# Altium PCB HYDRA_V4_LINK_V2.PcbDoc (part 1 of 3)
Units mm, origin at the board's own origin, x right, y up, seen from the top; angles counter-clockwise.
Board outline 50 x 44 mm, 4 copper layers (TOP SIG, PWR + INT SIG, GND, BOTTOM SIG), stack 1.586 mm thick; 197 components, 145 nets, 764 pads, 280 vias.
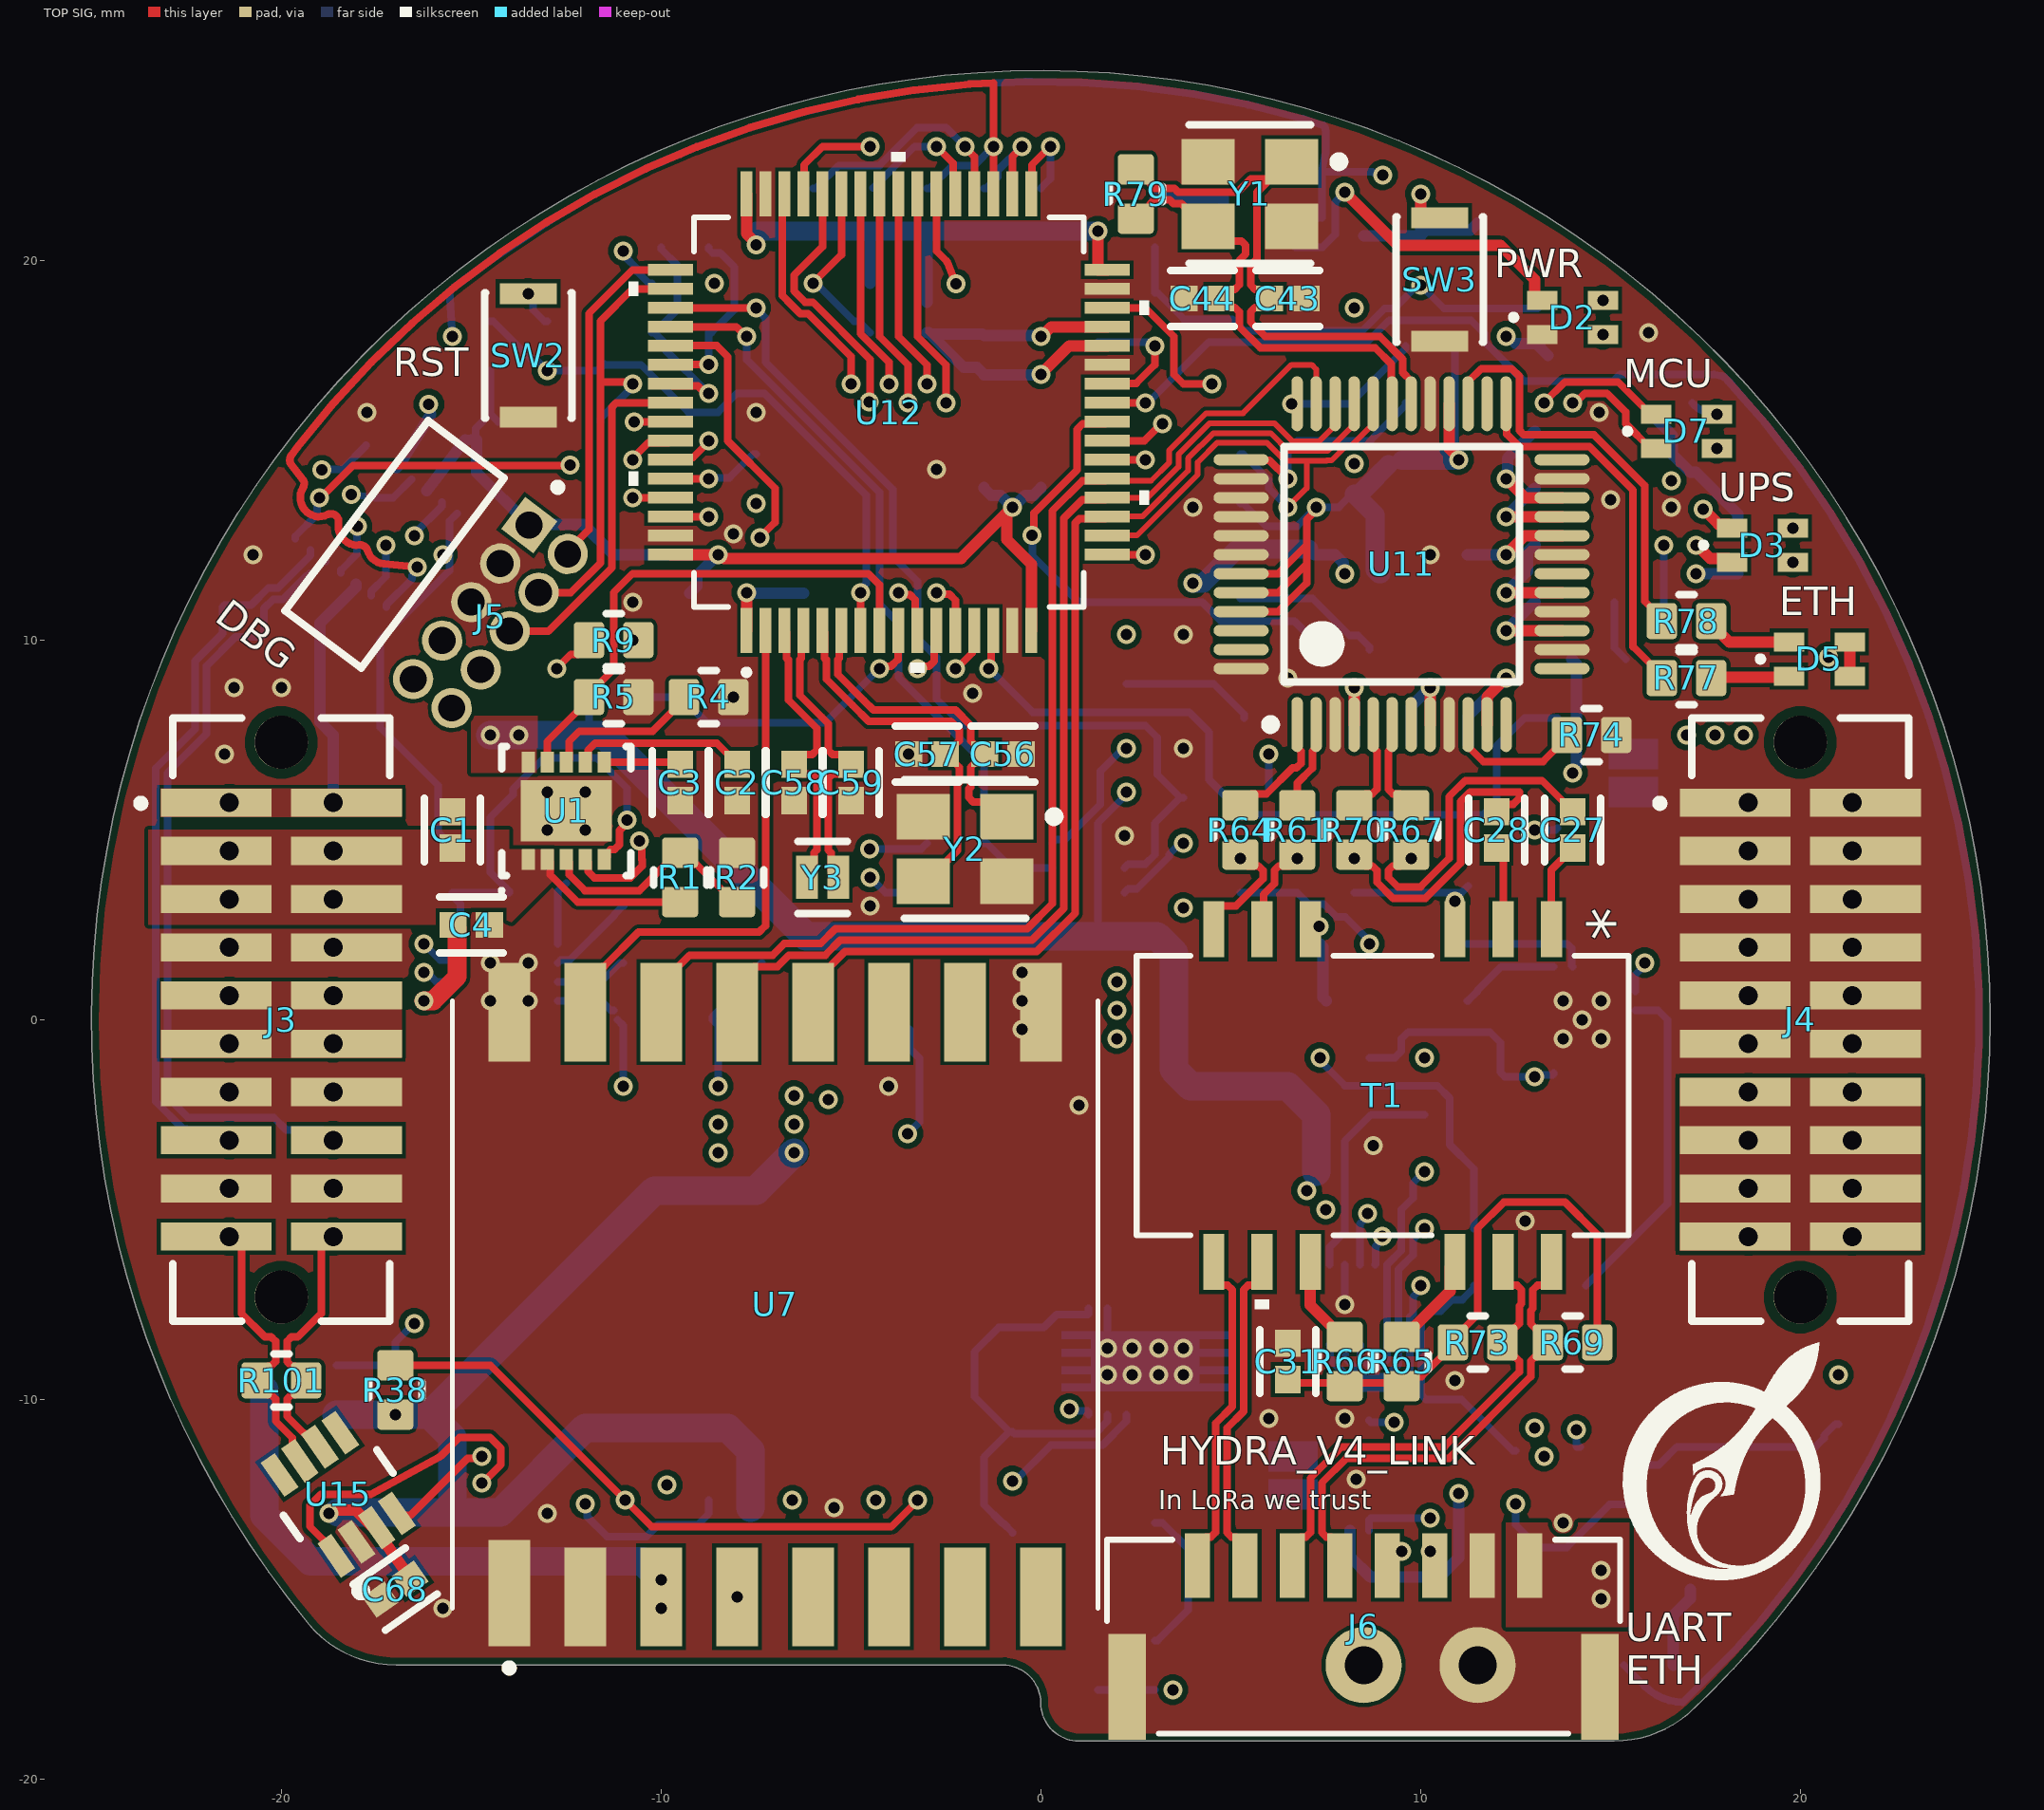
[diagram p0: TOP SIG view]
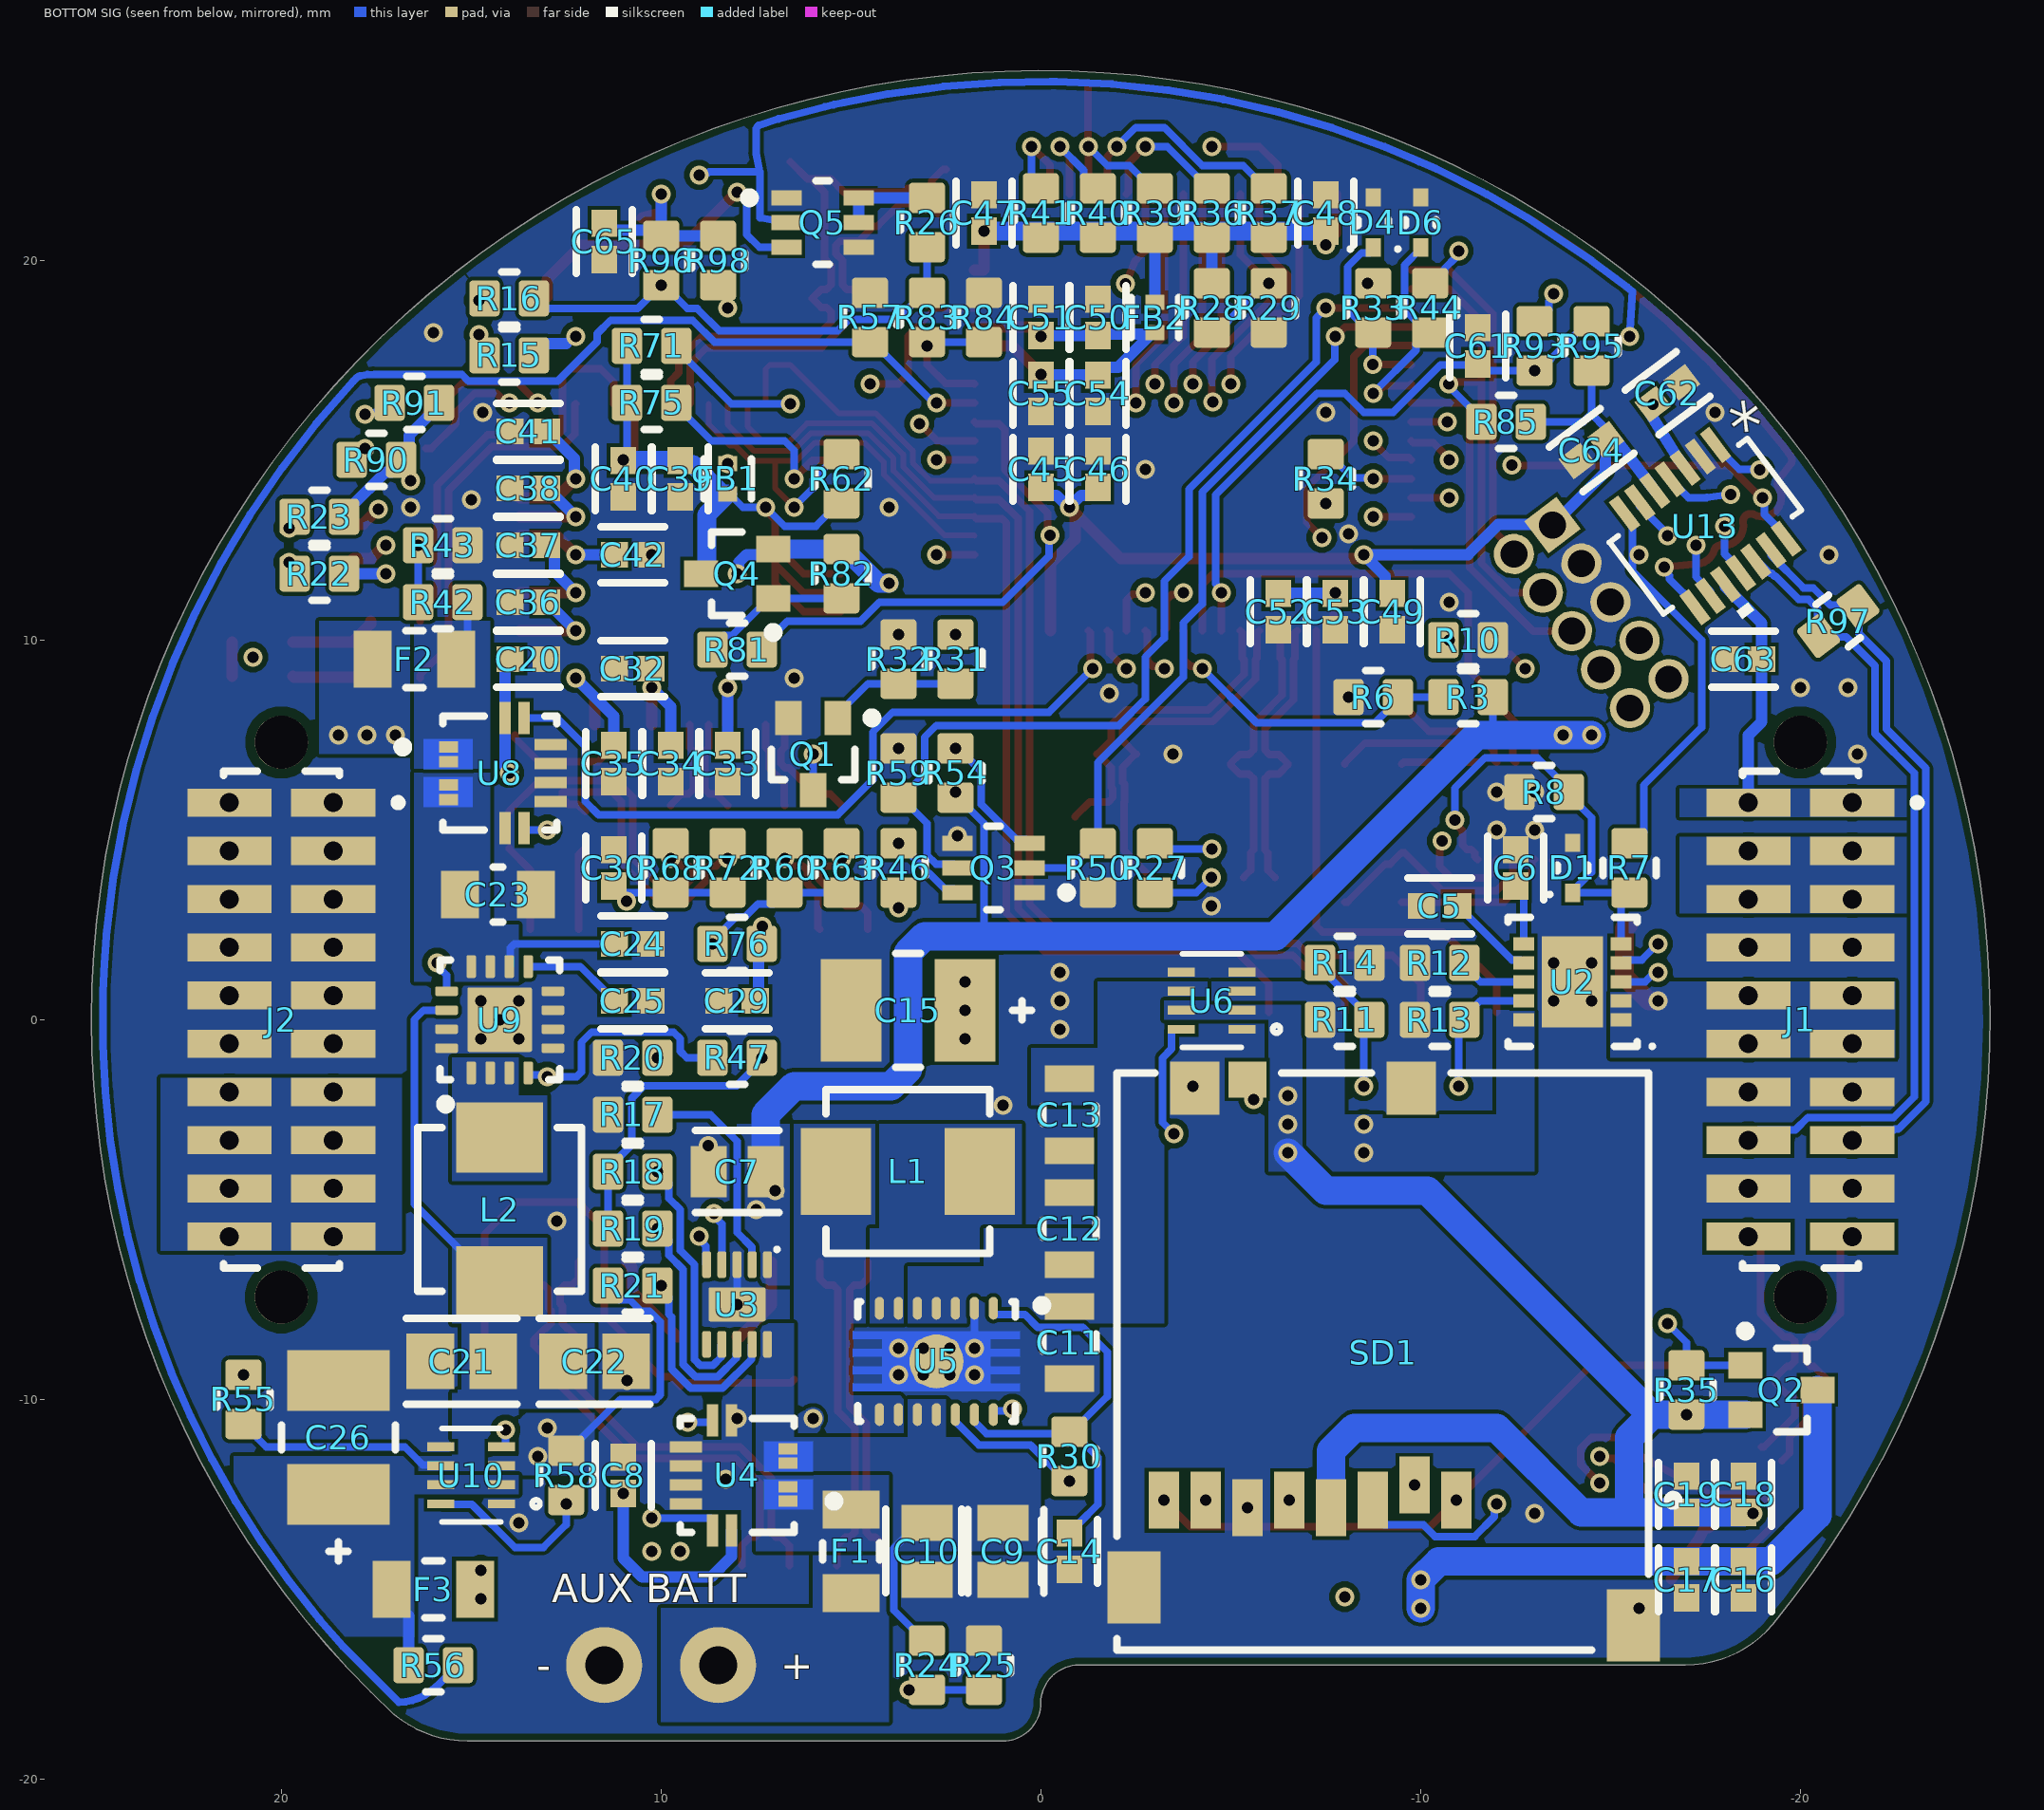
[diagram p1: BOTTOM SIG view, seen from below]
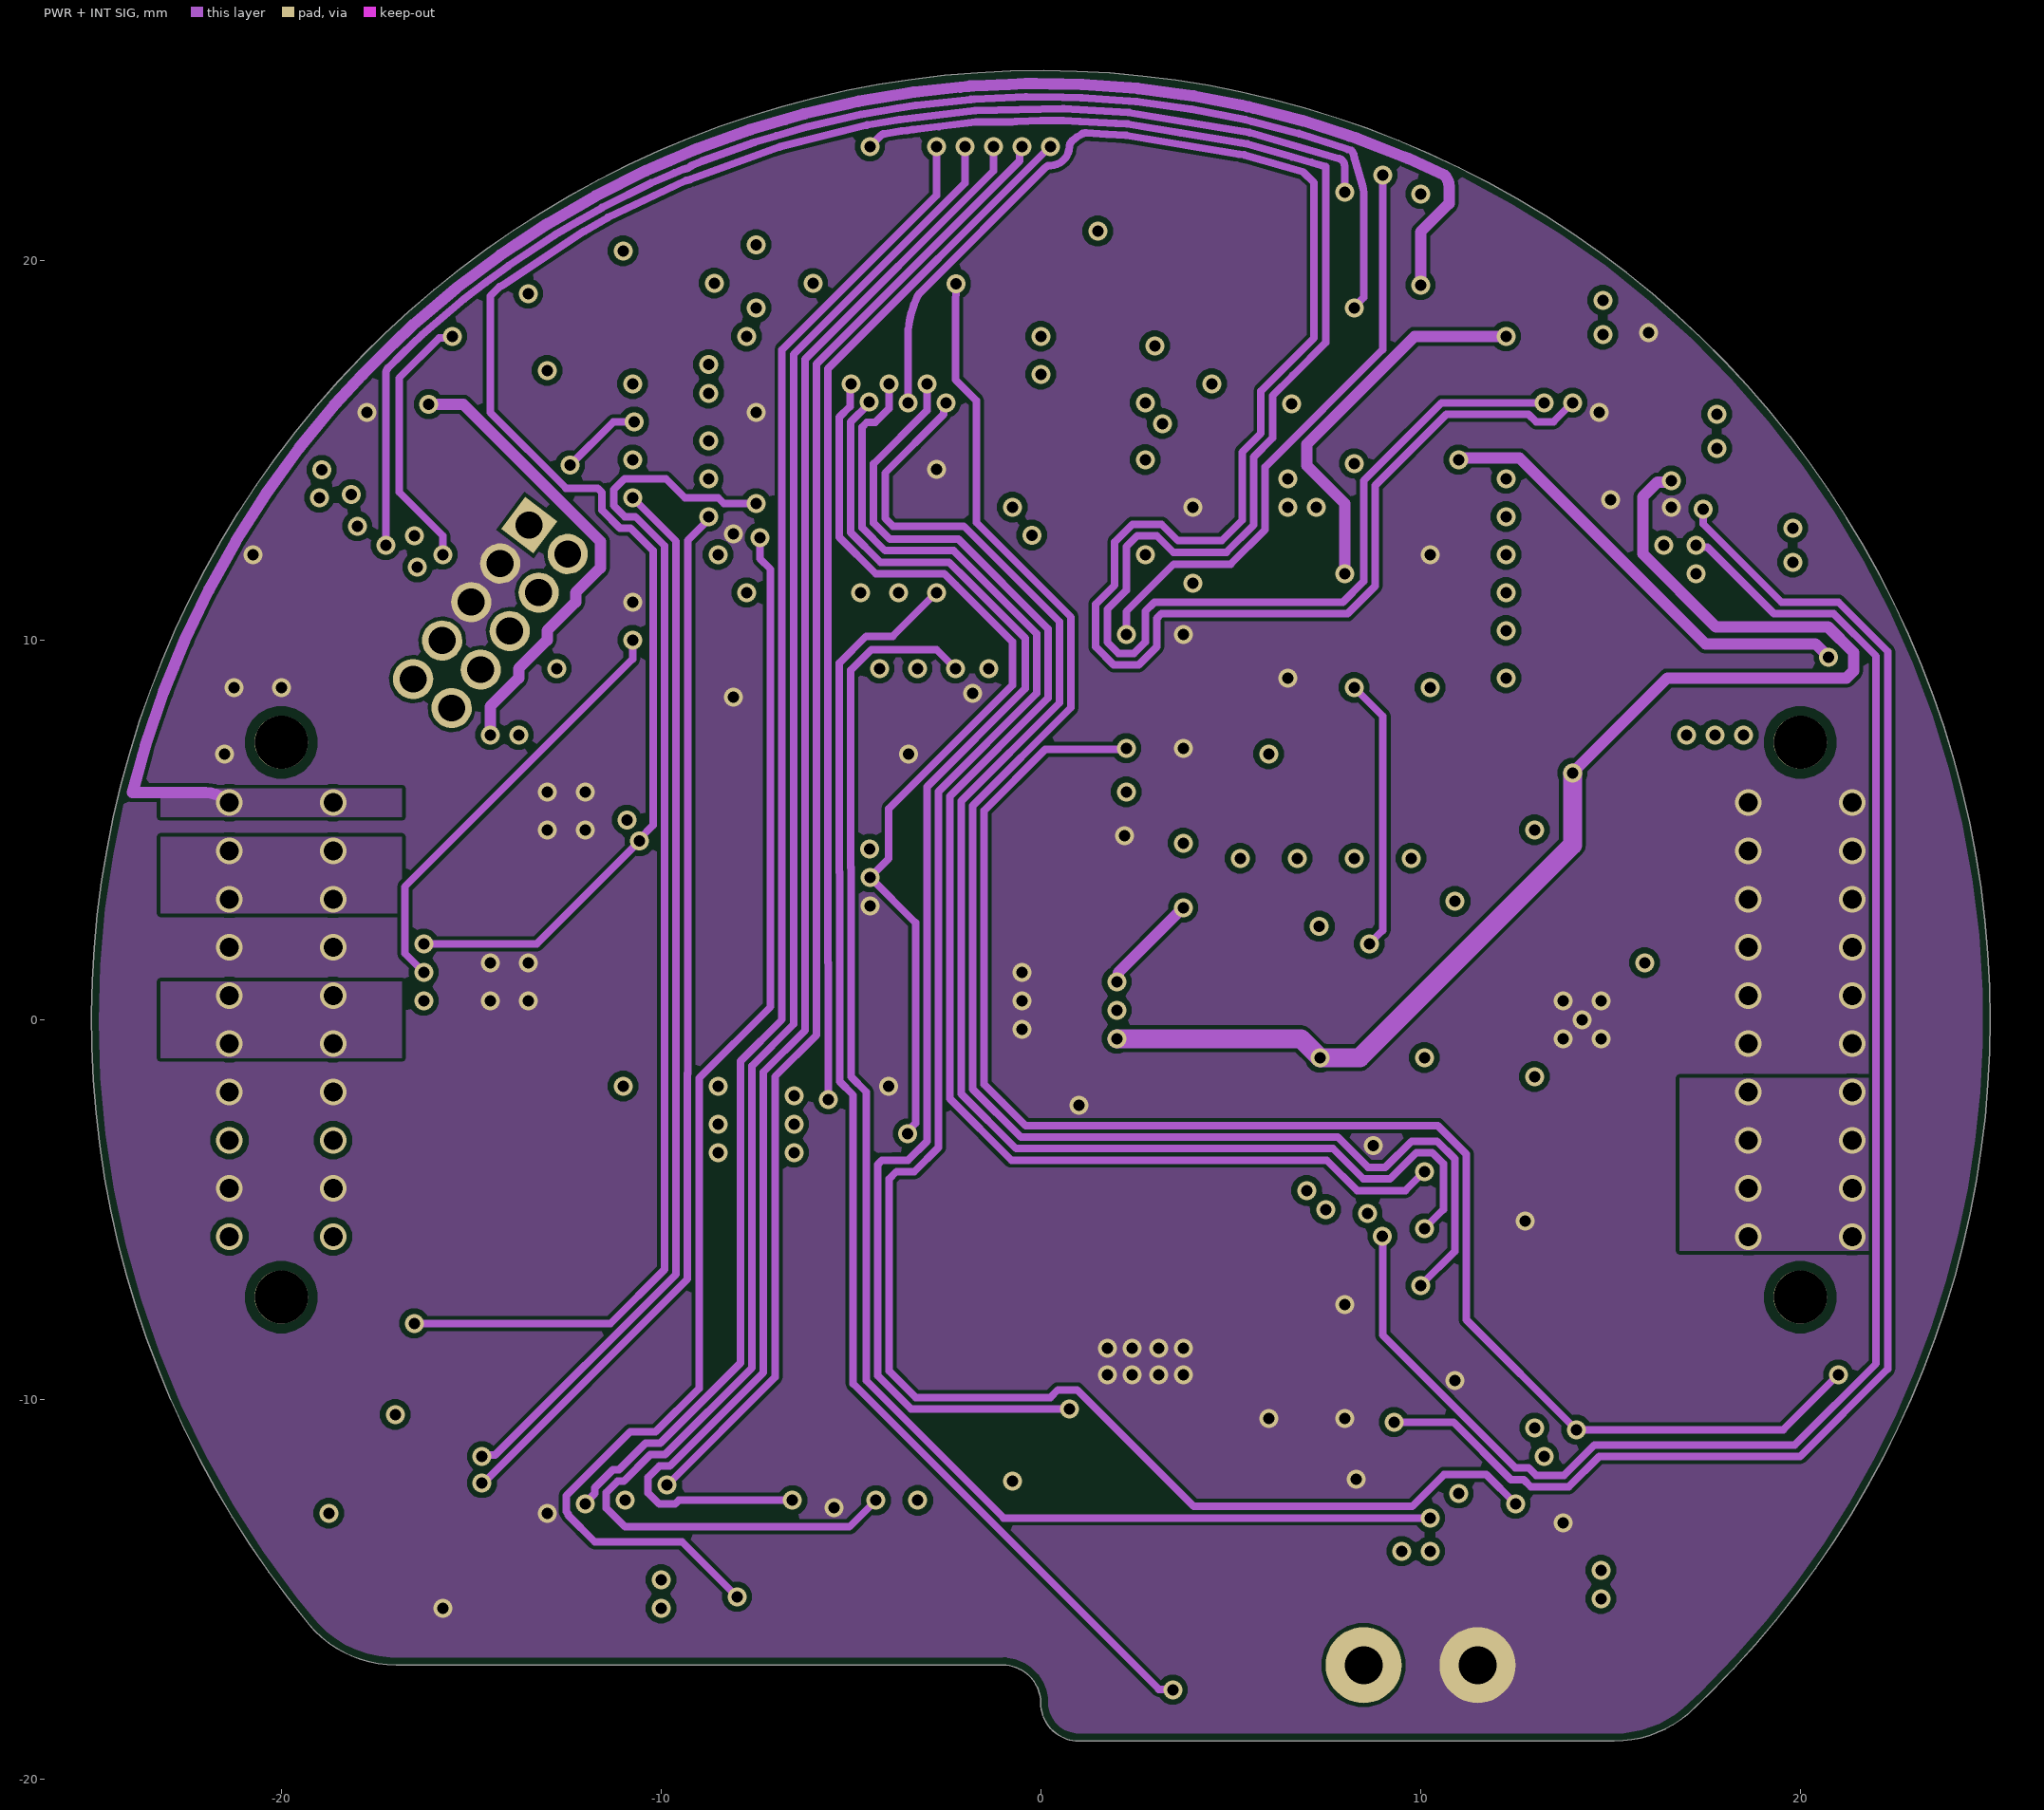
[diagram p2: PWR + INT SIG]
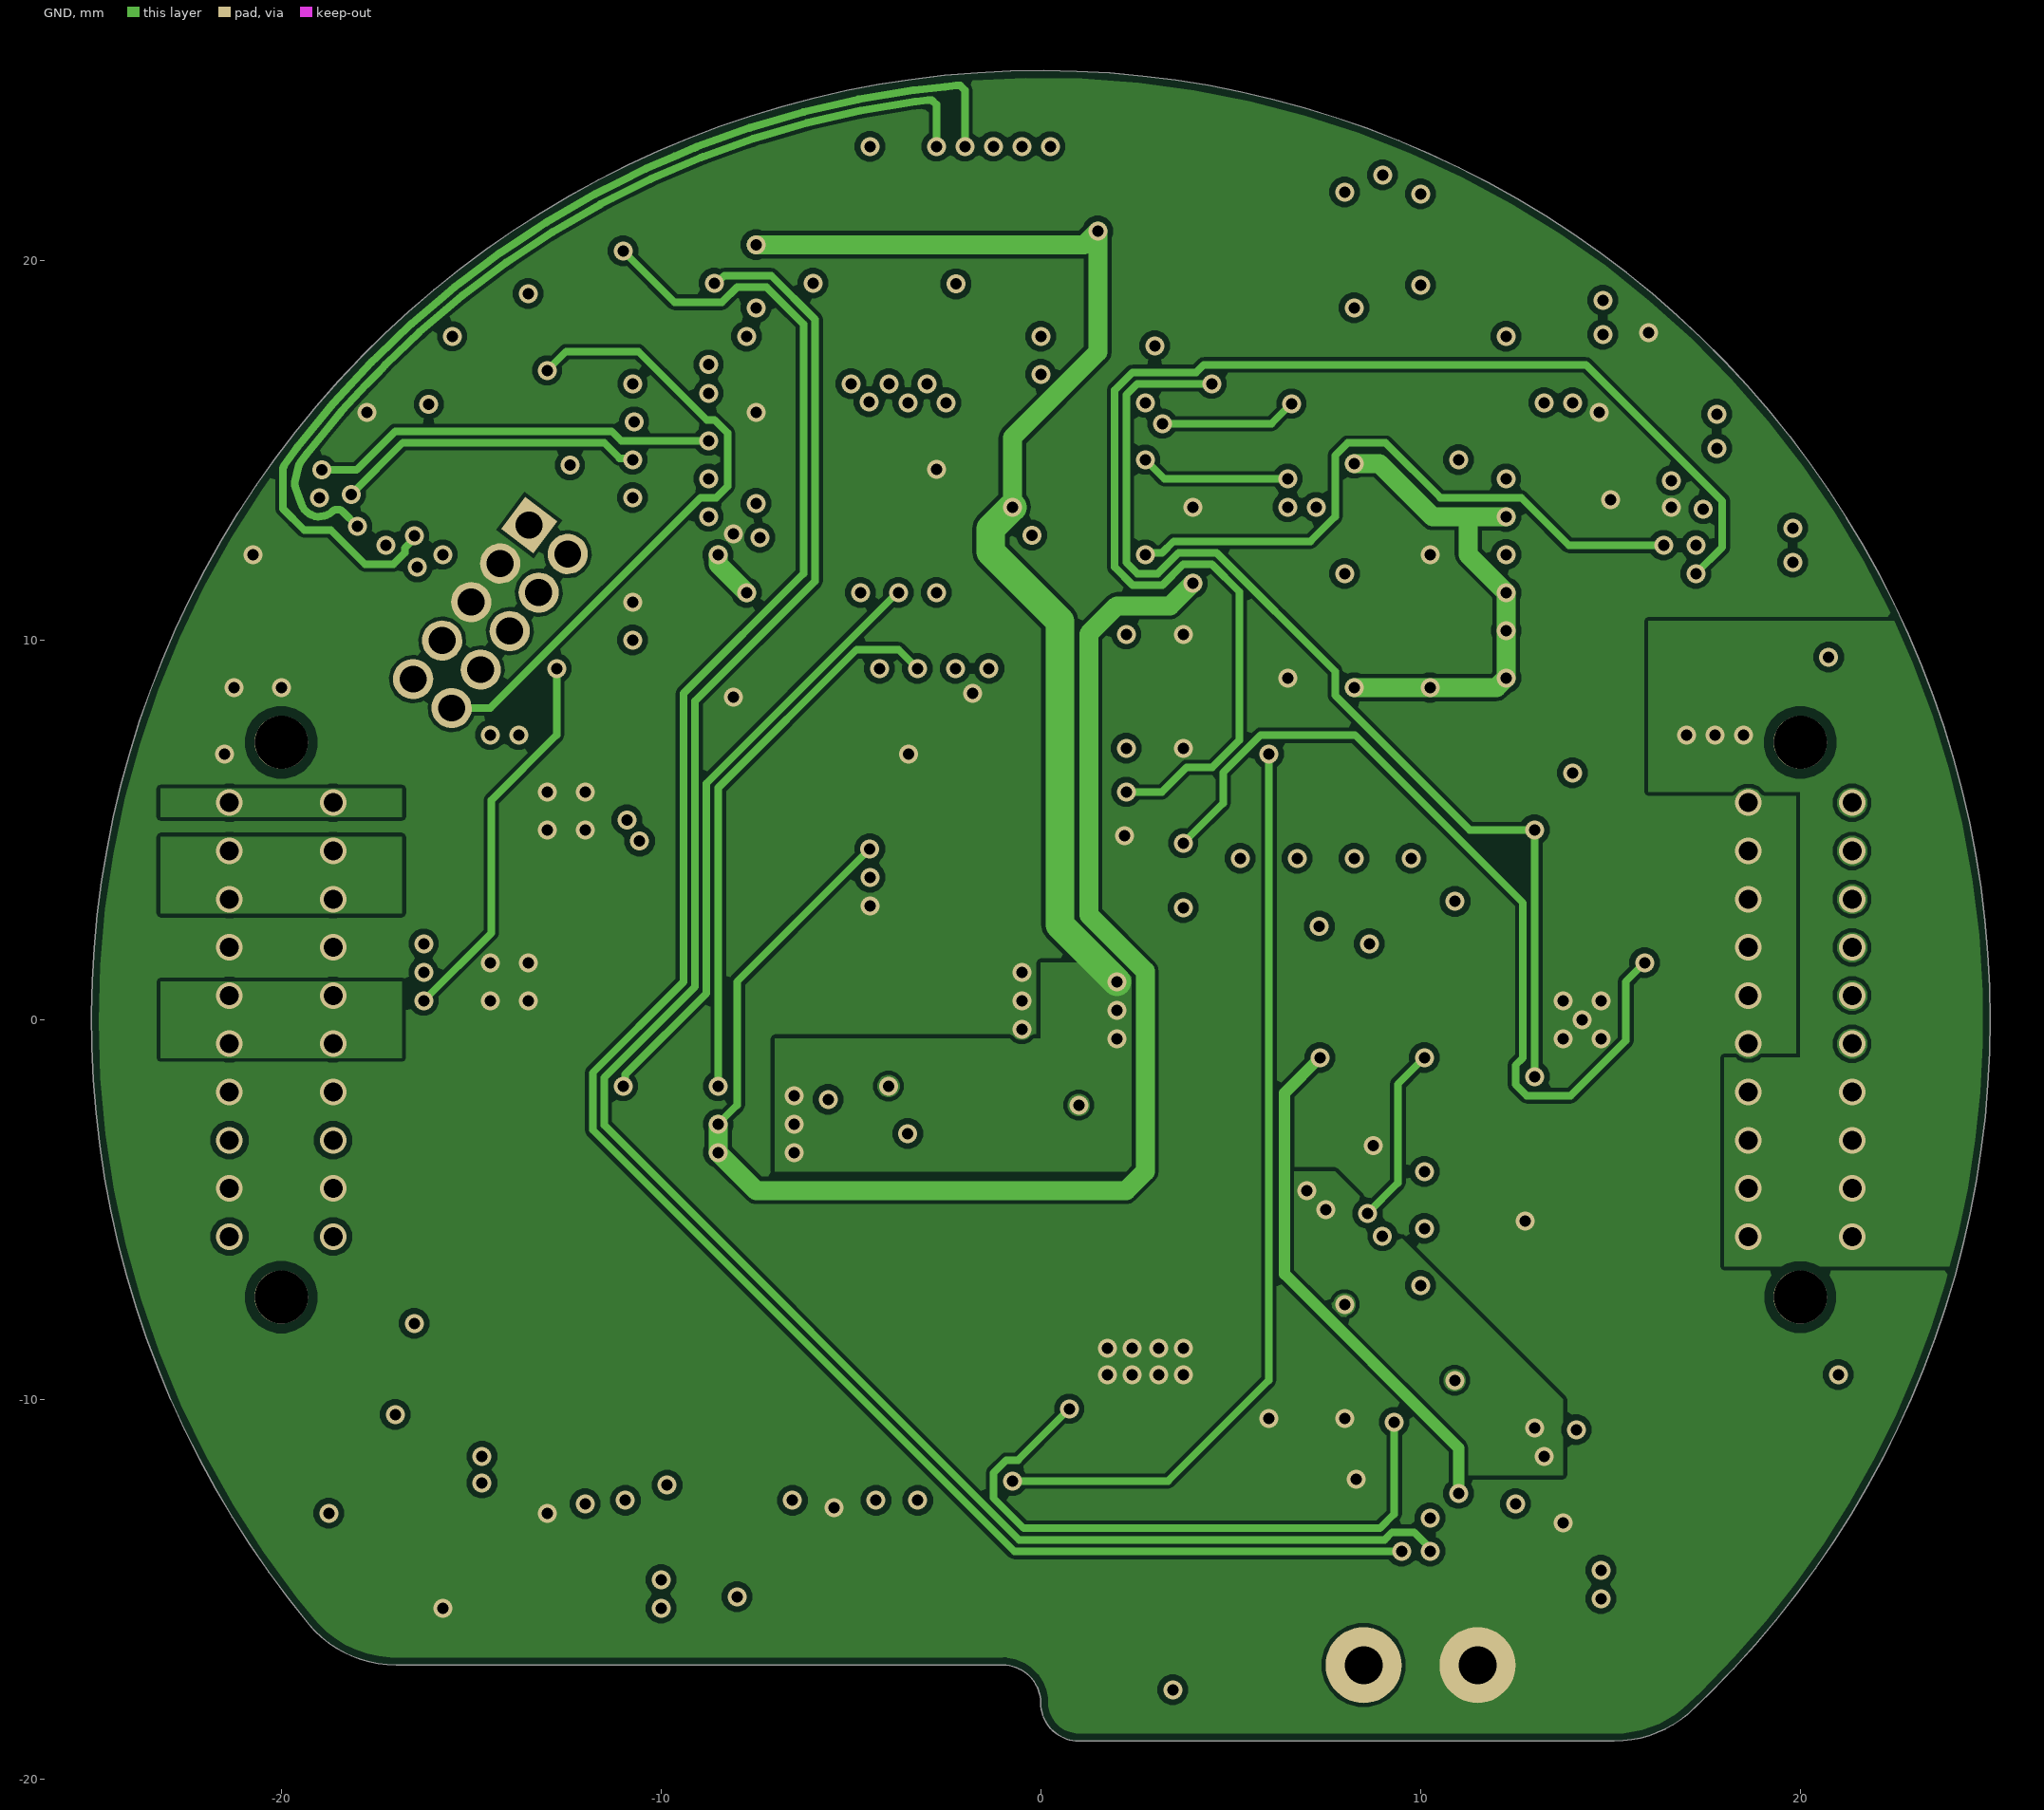
[diagram p3: GND]
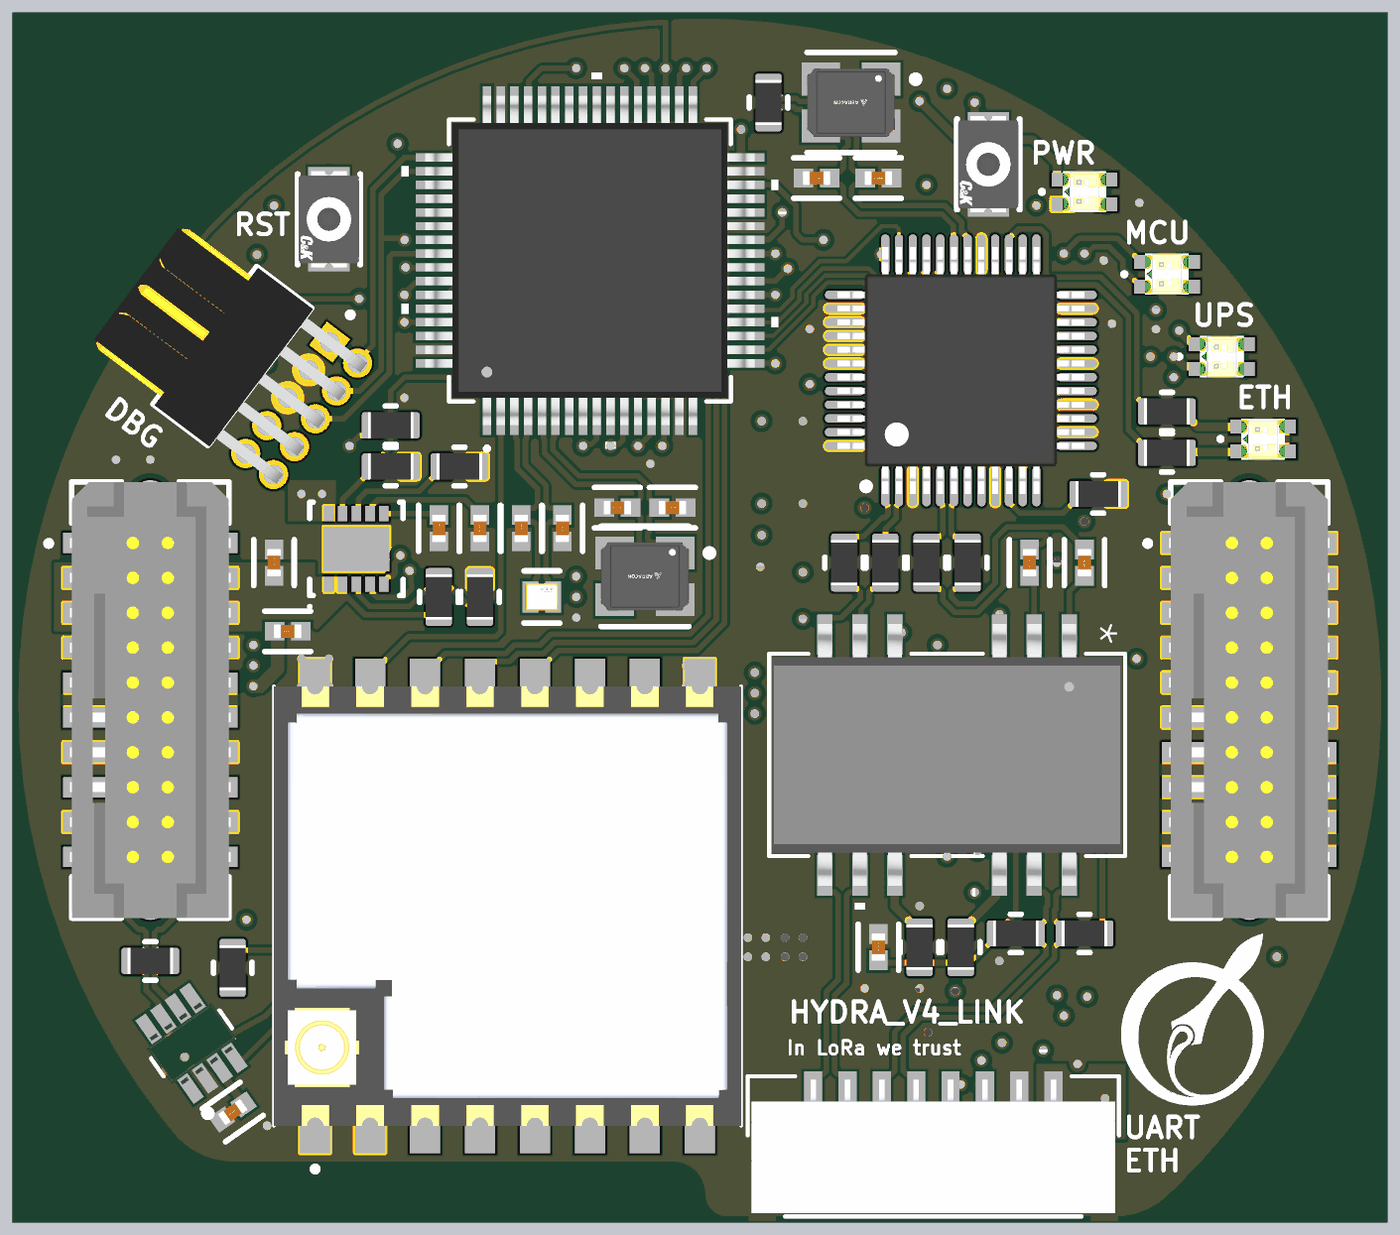
[diagram p6: 3D render of the assembled board from above, using the file's embedded part models]
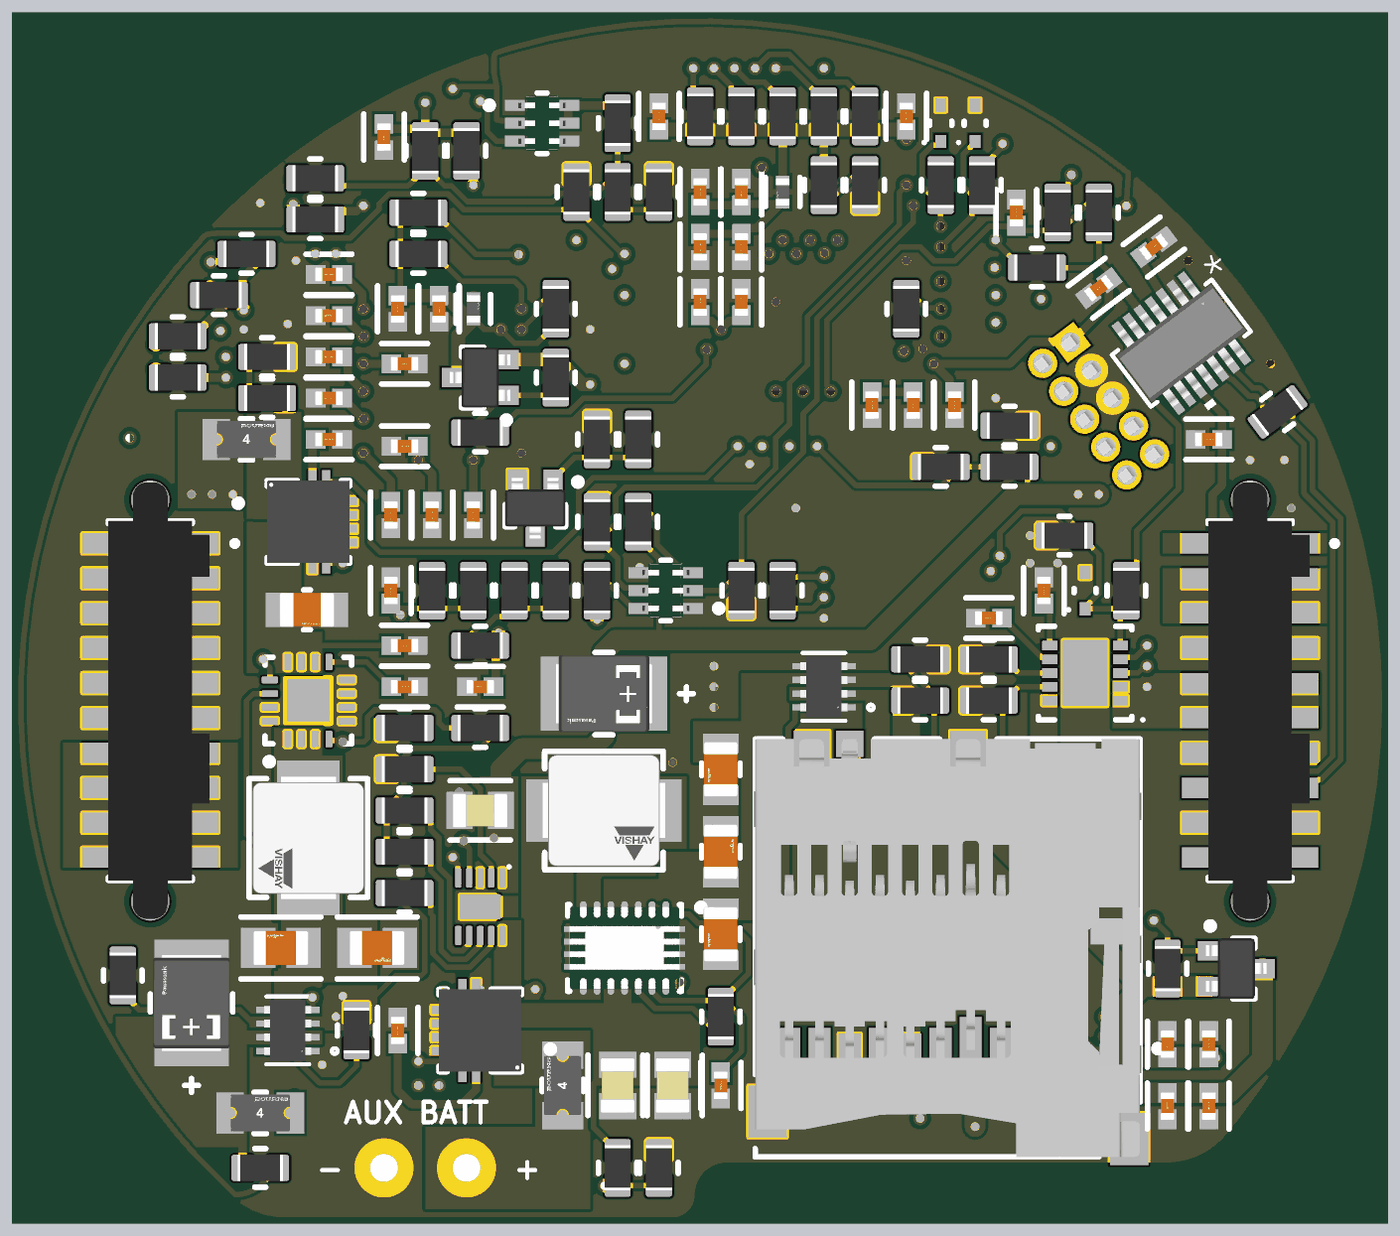
[diagram p7: 3D render of the assembled board from below, using the file's embedded part models]